# KiCad board pandemonium.kicad_pcb
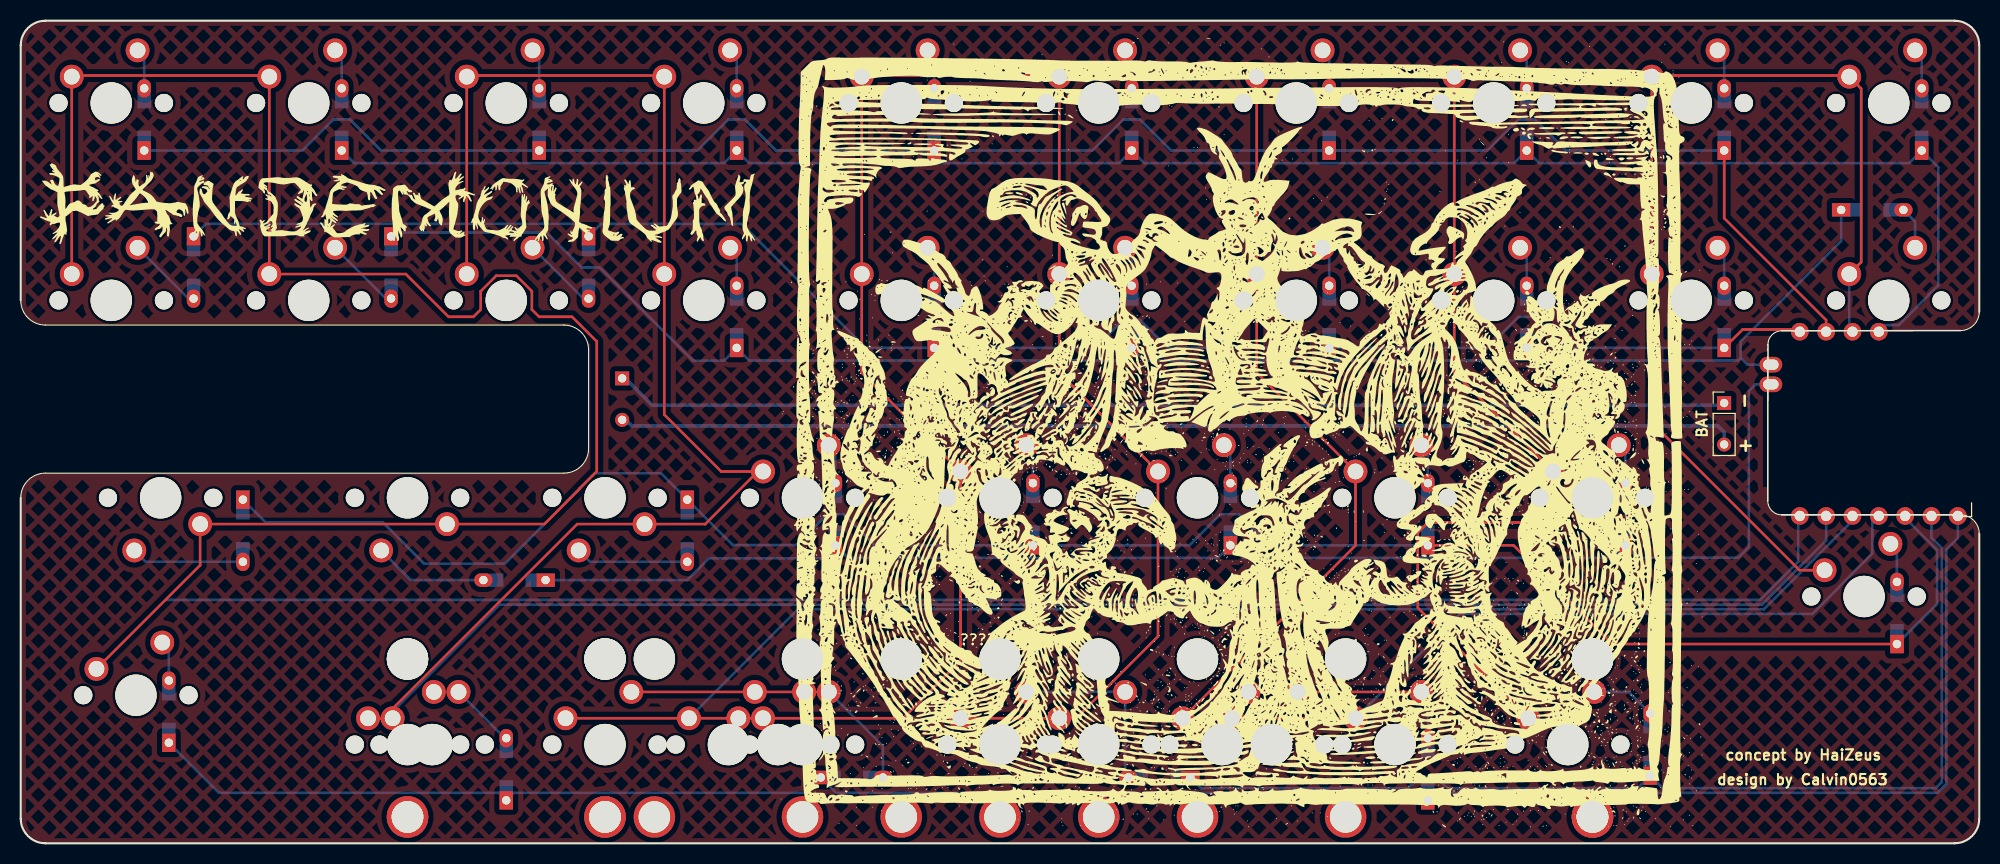
[diagram p0: board, top side]
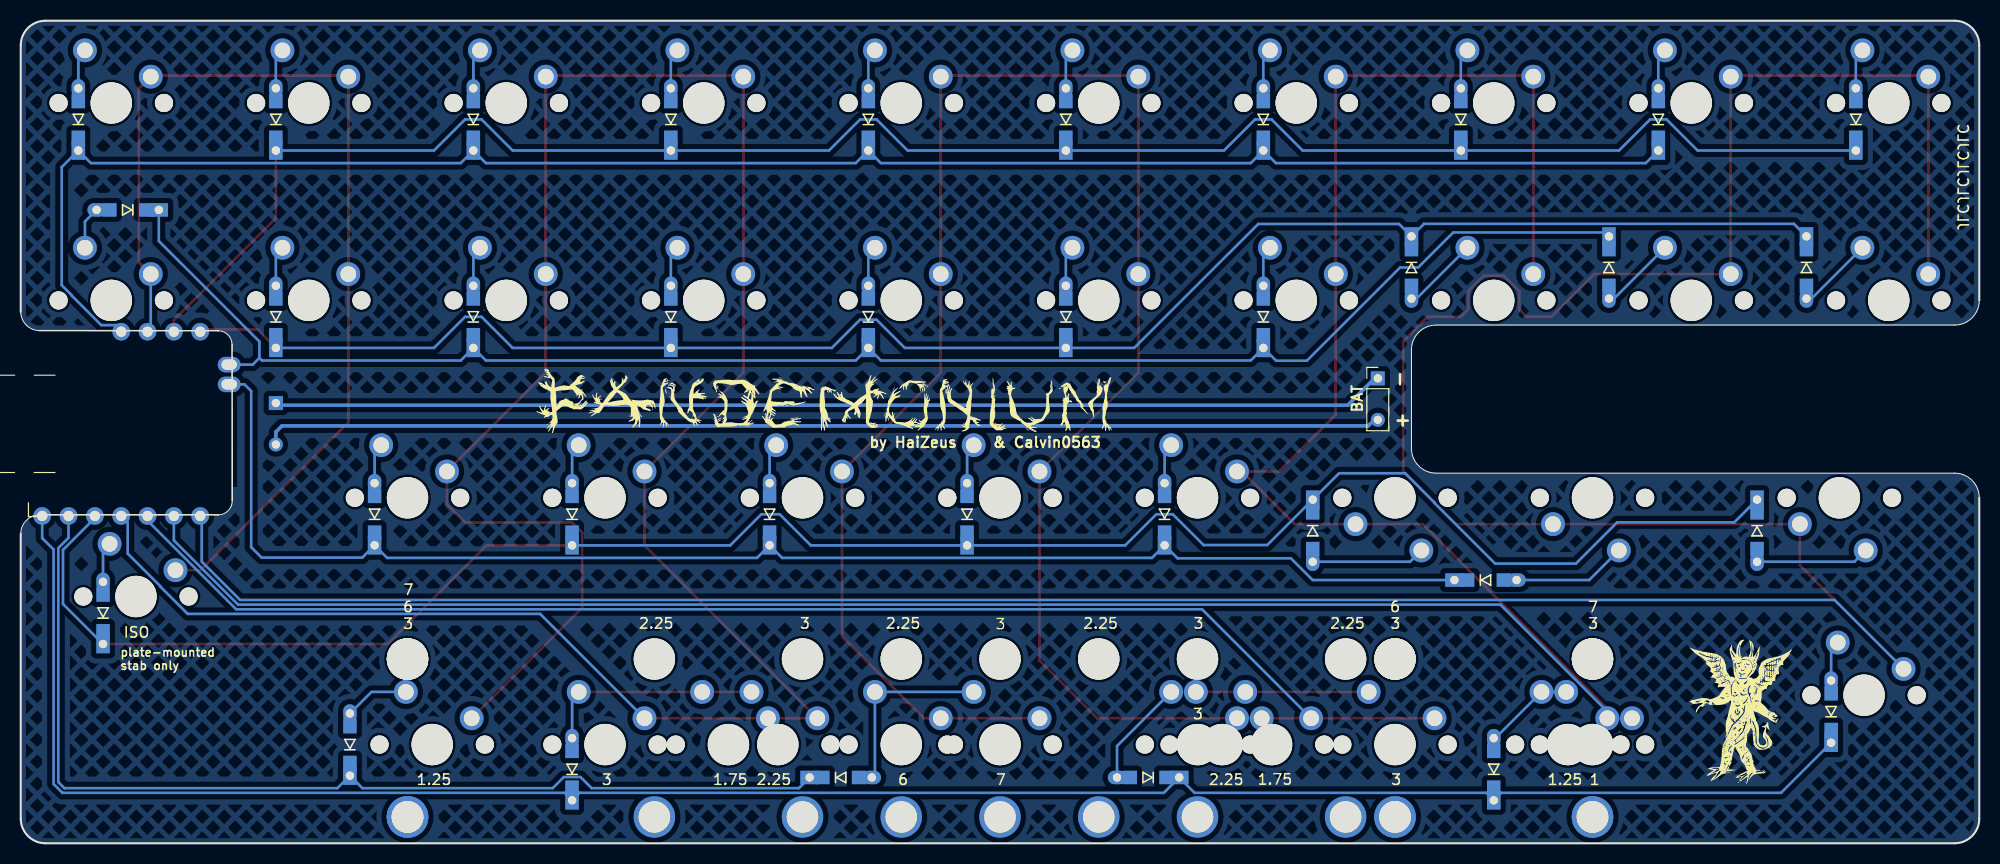
[diagram p1: board, bottom side, seen from below]

Outline 188.91 x 79.38 mm; copper layers: Top, Bottom. Coordinates in mm from the lower left corner of the outline.
Outline path: 0,76.99 0,52.39 arc(0.7,50.7) 2.38,50.01 52.39,50.01 arc(54.07,49.31) 54.77,47.63 54.77,38.1 arc(54.07,36.42) 52.39,35.72 2.38,35.72 arc(0.7,35.02) 0,33.34 0,2.38 arc(0.7,0.7) 2.38,0 186.53,0 arc(188.22,0.7) 188.91,2.38 188.91,29.87 arc(188.38,31.16) 187.09,31.69 169.86,31.69 arc(168.91,32.09) 168.51,33.04 168.53,48.12 arc(168.92,49.06) 169.86,49.45 187.09,49.47 arc(188.38,50.01) 188.91,51.3 188.91,76.99 arc(188.22,78.68) 186.53,79.38 2.38,79.38 arc(0.7,78.68) 0,76.99

## Placement (name value [footprint] x y rotation side)
D1  D_Small  [D3_TH_SMD_v2]  11.91 69.85 90 bottom
D2  D_Small  [D3_TH_SMD_v2]  107.16 69.85 90 bottom
D3  D_Small  [D3_TH_SMD_v2]  16.67 55.56 270 bottom
D4  D_Small  [D3_TH_SMD_v2]  107.16 50.8 90 bottom
D5  D_Small  [D3_TH_SMD_v2]  21.43 30.16 270 bottom
D6  D_Small  [D3_TH_SMD_v2]  116.68 31.75 90 bottom
D7  D_Small  [D3_TH_SMD_v2]  14.29 12.7 90 bottom
D8  D_Small  [D3_TH_SMD_v2]  30.96 69.85 90 bottom
D9  D_Small  [D3_TH_SMD_v2]  126.21 69.85 90 bottom
D10  D_Small  [D3_TH_SMD_v2]  35.72 55.56 270 bottom
D11  D_Small  [D3_TH_SMD_v2]  126.21 50.8 90 bottom
D12  D_Small  [D3_TH_SMD_v2]  47.63 25.4 180 bottom
D13  D_Small  [D3_TH_SMD_v2]  135.73 31.75 90 bottom
D14  D_Small  [D3_TH_SMD_v2]  46.83 7.14 90 bottom
D15  D_Small  [D3_TH_SMD_v2]  50.01 69.85 90 bottom
D16  D_Small  [D3_TH_SMD_v2]  145.26 69.85 90 bottom
D17  D_Small  [D3_TH_SMD_v2]  54.77 55.56 270 bottom
D18  D_Small  [D3_TH_SMD_v2]  145.26 50.8 90 bottom
D19  D_Small  [D3_TH_SMD_v2]  64.29 30.16 270 bottom
D20  D_Small  [D3_TH_SMD_v2]  154.78 31.75 90 bottom
D21  D_Small  [D3_TH_SMD_v2]  80.17 6.35 0 bottom
D22  D_Small  [D3_TH_SMD_v2]  69.06 69.85 90 bottom
D23  D_Small  [D3_TH_SMD_v2]  88.11 69.85 90 bottom
D24  D_Small  [D3_TH_SMD_v2]  109.82 6.35 180 bottom
D25  D_Small  [D3_TH_SMD_v2]  164.31 69.85 90 bottom
D26  D_Small  [D3_TH_SMD_v2]  183.36 69.85 90 bottom
D27  D_Small  [D3_TH_SMD_v2]  157.16 9.53 90 bottom
D28  D_Small  [D3_TH_SMD_v2]  69.06 50.8 90 bottom
D29  D_Small  [D3_TH_SMD_v2]  88.11 50.8 90 bottom
D31  D_Small  [D3_TH_SMD_v2]  164.31 50.8 90 bottom
D32  D_Small  [D3_TH_SMD_v2]  178.59 61.12 0 bottom
D34  D_Small  [D3_TH_SMD_v2]  78.58 31.75 90 bottom
D35  D_Small  [D3_TH_SMD_v2]  97.63 31.75 90 bottom
D37  D_Small  [D3_TH_SMD_v2]  180.98 22.23 90 bottom
D40  D_Small  [D3_TH_SMD_v2]  135.73 7.14 90 bottom
G***  -  [LOGO]  117.48 39.69 0 top
G***#2  -  [LOGO]  35.72 61.91 0 top
G***#3  -  [LOGO]  111.92 42.86 180 bottom
G***#4  -  [LOGO]  23.02 12.7 180 bottom
J1  XIAO nrf52840  [Seeeduino XIAO-MOUDLE14P-2.54-21X17.8MM]  168.68 31.59 90 bottom
J2  Conn_01x02_Female  [JST_PH_S2B-PH-K_1x02_P2.00mm_Horizontal]  164.31 40.48 270 top
J3  Conn_01x03_Female  [JST_PH_S3B-PH-K_1x03_P2.00mm_Horizontal]  58.01 42.86 270 bottom
MX1  MX_SW_solder  [SW_MX_1u]  8.73 71.44 0 top
MX2  MX_SW_solder  [SW_MX_1u]  103.98 71.44 0 top
MX3  MX_SW_solder  [SW_MX_1u]  8.73 52.39 0 top
MX4  MX_SW_solder  [SW_MX_1u]  103.98 52.39 0 top
MX5  MX_SW_solder  [SW_MX_1.5u]  13.49 33.34 180 top
MX6  MX_SW_solder  [SW_MX_1u]  113.51 33.34 0 top
MX7  MX_SW_solder  [SW_MX_1.25u]  11.11 14.29 0 top
MX8  MX_SW_solder  [SW_MX_1u]  27.78 71.44 0 top
MX9  MX_SW_solder  [SW_MX_1u]  123.03 71.44 0 top
MX10  MX_SW_solder  [SW_MX_1u]  27.78 52.39 0 top
MX11  MX_SW_solder  [SW_MX_1u]  123.03 52.39 0 top
MX12  MX_SW_solder  [SW_MX_1u]  37.31 33.34 180 top
MX13  MX_SW_solder  [SW_MX_1u]  132.56 33.34 0 top
MX14  MX_SW_solder  [SW_MX_1u]  37.31 9.53 0 top
MX15  MX_SW_solder  [SW_MX_1u]  46.83 71.44 0 top
MX16  MX_SW_solder  [SW_MX_1u]  142.08 71.44 0 top
MX17  MX_SW_solder  [SW_MX_1u]  46.83 52.39 0 top
MX18  MX_SW_solder  [SW_MX_1u]  142.08 52.39 0 top
MX19  MX_SW_solder  [SW_MX_1u]  56.36 33.34 180 top
MX20  MX_SW_solder  [SW_MX_1u]  151.61 33.34 0 top
MX21  MX_SW_solder  [SW_MX_1u]  75.41 9.53 0 top
MX22  MX_SW_solder  [SW_MX_1u]  65.88 71.44 0 top
MX23  MX_SW_solder  [SW_MX_1u]  161.13 71.44 0 top
MX24  MX_SW_solder  [SW_MX_1u]  65.88 52.39 0 top
MX25  MX_SW_solder  [SW_MX_1u]  161.13 52.39 0 top
MX26  MX_SW_solder  [SW_MX_1u]  75.41 33.34 0 top
MX27  MX_SW_solder  [SW_MX_1u]  177.8 23.81 0 top
MX28  MX_SW_solder  [SW_MX_1u]  132.56 9.53 0 top
MX29  MX_SW_solder  [SW_MX_1u]  84.93 71.44 0 top
MX30  MX_SW_solder  [SW_MX_1u]  180.18 71.44 0 top
MX31  MX_SW_solder  [SW_MX_1u]  84.93 52.39 0 top
MX32  MX_SW_solder  [SW_MX_1u]  180.18 52.39 0 top
MX33  MX_SW_solder  [SW_MX_1u]  94.46 33.34 0 top
MX34  MX_SW_solder  [SW_MX_1u]  103.98 9.53 0 top
MX35  MX_SW_solder  [SW_MX_1u]  56.36 9.53 0 top
MX36  MX_SW_solder  [SW_MX_1.25u]  39.69 9.53 0 top
MX37  MX_SW_solder  [SW_MX_1u]  73.03 9.53 0 top
MX38  MX_SW_solder  [SW_MX_1.75u]  68.26 9.53 0 top
MX39  MX_SW_solder  [SW_MX_1u]  94.46 9.53 0 top
MX42  MX_SW_solder  [SW_MX_1u]  115.89 9.53 0 top
MX43  MX_SW_solder  [SW_MX_1.75u]  120.65 9.53 0 top
MX44  MX_SW_solder  [SW_MX_1.25u]  149.23 9.53 0 top
S2  MX_stab  [STAB_MX_P_3u]  75.41 9.53 180 top
S3  MX_stab  [STAB_MX_P_3u]  132.56 9.53 180 top
S4  MX_stab  [STAB_MX_P_3u]  56.36 9.53 180 top
S6  MX_stab  [STAB_MX_P_2.25u]  73.03 9.53 180 top
S7  MX_stab  [STAB_MX_P_2.25u]  115.89 9.53 180 top
S8  MX_stab  [STAB_MX_P_6u]  103.98 9.53 180 top
S9  MX_stab  [STAB_MX_P_7u]  94.46 9.53 180 top

## Library data of the parts
D1-D29 D31 D32 D34 D35 D37 D40 = -: Description: Diode, small symbol; Sim.Device: D; Sim.Pins: 1=K 2=A
J1 = -: Description: Pro-Micro controller, Pin 1 is TX, Pin 24 is VCC, 25 is B+, 26 is B-
J2 = -: Description: Generic connector, single row, 01x02, script generated (kicad-library-utils/schlib/autogen/connector/)
J3 = -: Description: Generic connector, single row, 01x03, script generated (kicad-library-utils/schlib/autogen/connector/)
MX1-MX39 MX42-MX44 = -: Description: Push button switch, normally open, two pins, 45° tilted
S2-S4 S6-S9 = -: Description: Cherry MX-style stabilizer

## Footprints (pads in the part's own frame, mm; a bottom-side part is the same pattern mirrored in y, then rotated)
D3_TH_SMD_v2
  rect 1.778x1.3 hole 0.813: 1(-3,0)
  rect 1.4x1.3 smd: 1(-1.775,0) 2(1.775,0)
  oval 1.778x1.3 hole 0.813: 2(3,0)
JST_PH_S2B-PH-K_1x02_P2.00mm_Horizontal
  rect 1.35x1.35 hole 0.8: 1(-2,0)
  oval 1.35x1.35 hole 0.8: 2(2,0)
JST_PH_S3B-PH-K_1x03_P2.00mm_Horizontal
  rect 1.35x1.35 hole 0.8: 1(-2,0)
  oval 1.35x1.35 hole 0.8: 2(2,0)
Seeeduino XIAO-MOUDLE14P-2.54-21X17.8MM
  round 1.7 hole 1: 1(0,18.161)
  oval 1.7x1.7 hole 1: 2(0,15.621) 3(0,13.081) 4(0,10.541) 5(0,8.001) 6(0,5.461) 7(0,2.921) 18(17.78,2.921) 19(17.78,5.461) 20(17.78,8.001) 21(17.78,10.541)
  oval 1.5x2.2 hole 1x1.5: 8(12.7,0.127) 9(14.605,0.127)
STAB_MX_P_2.25u
  round 4 hole 3.048: (-11.906,6.985) (11.906,6.985)
  round 3.988 hole 3.988 unplated: (-11.906,-8.255) (11.906,-8.255)
STAB_MX_P_3u
  round 4 hole 3.048: (-19.05,6.985) (19.05,6.985)
  round 3.988 hole 3.988 unplated: (-19.05,-8.255) (19.05,-8.255)
STAB_MX_P_6u
  round 4 hole 3.048: (-47.625,6.985) (47.625,6.985)
  round 3.988 hole 3.988 unplated: (-47.625,-8.255) (47.625,-8.255)
STAB_MX_P_7u
  round 4 hole 3.048: (-57.15,6.985) (57.15,6.985)
  round 3.988 hole 3.988 unplated: (-57.15,-8.255) (57.15,-8.255)
SW_MX_1.5u
  round 1.75 hole 1.75 unplated: (-5.08,0) (5.08,0)
  round 3.988 hole 3.988 unplated: (0,0)
  round 2.3 hole 1.524: 1(-3.81,2.54) 2(2.54,5.08)
SW_MX_1.25u
  round 1.75 hole 1.75 unplated: (-5.08,0) (5.08,0)
  round 3.988 hole 3.988 unplated: (0,0)
  round 2.3 hole 1.524: 1(-3.81,2.54) 2(2.54,5.08)
SW_MX_1.75u
  round 1.75 hole 1.75 unplated: (-5.08,0) (5.08,0)
  round 3.988 hole 3.988 unplated: (0,0)
  round 2.3 hole 1.524: 1(-3.81,2.54) 2(2.54,5.08)
SW_MX_1u
  round 1.75 hole 1.75 unplated: (-5.08,0) (5.08,0)
  round 3.988 hole 3.988 unplated: (0,0)
  round 2.3 hole 1.524: 1(-3.81,2.54) 2(2.54,5.08)

## Nets
+BATT: J2.2 J3.2
-BATT: J2.1 J3.1
COL0: J1.7 MX1.1 MX3.1 MX5.1 MX7.1 MX8.1 MX10.1 MX12.1
COL1: J1.6 MX14.1 MX15.1 MX17.1 MX19.1 MX22.1 MX24.1 MX26.1 MX36.1
COL2: J1.5 MX2.1 MX4.1 MX6.1 MX21.1 MX29.1 MX31.1 MX33.1 MX34.1 MX35.1 MX37.1 MX38.1 MX39.1
COL3: J1.4 MX9.1 MX11.1 MX13.1 MX16.1 MX18.1 MX20.1 MX28.1 MX42.1 MX43.1 MX44.1
COL4: J1.20 MX23.1 MX25.1 MX27.1 MX30.1 MX32.1
ROW0: D1.1 D9.1 D15.1 D23.1 D25.1 J1.19
ROW1: D2.1 D8.1 D16.1 D22.1 D26.1 J1.21
ROW2: D3.1 D11.1 D17.1 D29.1 D31.1 J1.18
ROW3: D4.1 D10.1 D18.1 D28.1 D32.1 J1.9
ROW4: D5.1 D13.1 D19.1 D35.1 D37.1 J1.3
ROW5: D6.1 D12.1 D20.1 D34.1 J1.8
ROW6: D7.1 D14.1 D21.1 D40.1 J1.1
ROW7: D24.1 D27.1 J1.2
Net-(D1-A): D1.2 MX1.2
Net-(D2-A): D2.2 MX2.2
Net-(D3-A): D3.2 MX3.2
Net-(D4-A): D4.2 MX4.2
Net-(D5-A): D5.2 MX5.2
Net-(D6-A): D6.2 MX6.2
Net-(D7-A): D7.2 MX7.2
Net-(D8-A): D8.2 MX8.2
Net-(D9-A): D9.2 MX9.2
Net-(D10-A): D10.2 MX10.2
Net-(D11-A): D11.2 MX11.2
Net-(D12-A): D12.2 MX12.2
Net-(D13-A): D13.2 MX13.2
Net-(D14-A): D14.2 MX14.2 MX36.2
Net-(D15-A): D15.2 MX15.2
Net-(D16-A): D16.2 MX16.2
Net-(D17-A): D17.2 MX17.2
Net-(D18-A): D18.2 MX18.2
Net-(D19-A): D19.2 MX19.2
Net-(D20-A): D20.2 MX20.2
Net-(D21-A): D21.2 MX21.2 MX35.2 MX37.2 MX38.2
Net-(D22-A): D22.2 MX22.2
Net-(D23-A): D23.2 MX29.2
Net-(D24-A): D24.2 MX34.2 MX39.2
Net-(D25-A): D25.2 MX23.2
Net-(D26-A): D26.2 MX30.2
Net-(D27-A): D27.2 MX44.2
Net-(D28-A): D28.2 MX24.2
Net-(D29-A): D29.2 MX31.2
Net-(D31-A): D31.2 MX25.2
Net-(D32-A): D32.2 MX32.2
Net-(D34-A): D34.2 MX26.2
Net-(D35-A): D35.2 MX33.2
Net-(D37-A): D37.2 MX27.2
Net-(D40-A): D40.2 MX28.2 MX42.2 MX43.2

## Routing (per net, layer and track width the routed paths; a pad name or vN(x,y) marks a point on that pad's centre or on a via; arc(x,y) is an arc through that point)
+BATT: length 108
  Bottom w0.35: J2.2 164.31,39.69 163.72,40.28 58.94,40.28 58.36,40.86 J3.2
-BATT: length 107.5
  Bottom w0.35: J2.1 164.1,42.28 60.91,42.28 58.33,44.86 J3.1
COL0: length 340.8
  Top w0.25: MX7.1 17.3,26.83 MX5.1 MX12.1 50.5,30.8 53.91,34.2 53.91,34.24 55.56,35.89 55.56,48.42 53.18,50.8 50.01,50.8 49.3,51.51 49.3,53.27 47.8,54.77 45.86,54.77 44.36,53.27 44.36,51.51 43.66,50.8 41.28,50.8 37.15,54.93 MX10.1 MX8.1 23.87,74.08 5.03,74.08 MX1.1 MX3.1
  Bottom w0.25: MX7.1 13.96,23.48 167.76,23.48 171.45,27.17 171.45,31.43 171.58,31.57 171.6,31.57
COL1: length 280.9
  Top w0.25: 35.22,12.07 MX14.1 MX36.1 35.88,13 53.67,30.8 MX19.1 66.02,30.8 71.1,35.88 MX26.1 67.56,35.88 62.07,41.37 MX24.1 MX22.1 61.97,74.08 43.13,74.08 MX15.1 MX17.1
  Bottom w0.25: 174.14,31.57 174.14,29.23 167.95,23.03 46.19,23.03 35.88,12.72 MX36.1
COL2: length 320.7
  Top w0.25: MX35.1 MX21.1 85.09,12.07 90.65,17.62 MX33.1 81.12,45.4 MX31.1 MX29.1 81.23,74.08 100.07,74.08 MX2.1 MX4.1 100.17,45.4 MX6.1 109.7,19.96 101.8,12.07 MX34.1 MX39.1
  Bottom w0.25: MX38.1 74.97,22.58 168.13,22.58 176.68,31.13 176.68,31.57
COL3: length 250.6
  Top w0.25: MX44.1 134.76,22.72 134.76,29.98 135.73,30.96 146.05,30.96 147.8,32.7 MX20.1 147.8,35.9 138.27,45.42 MX18.1 MX16.1 138.17,74.08 119.33,74.08 MX9.1 MX11.1 119.22,45.4 MX13.1 128.75,28.73 MX42.1 MX28.1
  Bottom w0.25: 179.22,31.57 179.2,31.57 178.59,30.96 178.59,27.96 175.43,24.79 175.43,24.76 172.81,22.13 138.81,22.13 MX28.1
COL4: length 100.6
  Top w0.25: MX27.1 171.57,26.35 157.32,40.6 MX25.1 MX23.1 157.43,74.08 176.27,74.08 MX30.1 177.52,72.83 177.52,56.08 MX32.1
  Bottom w0.25: 176.68,49.59 176.37,49.9 MX32.1
ROW0: length 183.7
  Top w0.25: 174.14,49.58 174.14,50.49 164.31,60.33 D25.1
  Bottom w0.25: D25.1 149.05,66.85 146.05,69.85 144.46,69.85 141.46,66.85 D9.1 110.95,66.85 107.95,69.85 106.36,69.85 103.36,66.85 D23.1 72.85,66.85 69.85,69.85 68.26,69.85 65.26,66.85 D15.1 34.75,66.85 31.75,69.85 30.16,69.85 27.16,66.85 D1.1
ROW1: length 177.6
  Bottom w0.25: 179.22,49.59 179.64,50.01 181.15,50.01 184.01,52.87 184.01,52.91 184.96,53.85 184.96,65.25 D26.1 182.14,65.64 146.47,65.64 D16.1 144.04,65.64 108.37,65.64 D2.1 105.94,65.64 70.27,65.64 D22.1 67.84,65.64 32.17,65.64 D8.1
ROW2: length 166.9
  Top w0.25: D31.1 166.09,49.59 169.91,49.59 169.92,49.58 171.39,49.58 171.6,49.58
  Bottom w0.25: D31.1 149.05,47.8 146.05,50.8 144.46,50.8 141.46,47.8 D11.1 110.68,47.8 107.95,50.53 106.36,50.53 103.64,47.8 D29.1 81.51,47.8 69.55,59.76 55.97,59.76 D17.1 53.55,59.78 17.88,59.78 D3.1
ROW3: length 159.7
  Bottom w0.25: D32.1 175.59,58.12 165.89,48.42 165.89,46.83 ; 168.4,46.19 166.53,46.19 165.89,46.83 ; 165.89,46.83 165.65,46.59 146.47,46.59 D18.1 144.04,46.59 108.37,46.59 D4.1 105.94,46.59 70.27,46.59 D28.1 67.82,46.57 64.85,46.57 55.86,55.56 54.12,55.56 50.74,58.94 36.1,58.94 D10.1
ROW4: length 192.7
  Top w0.25: D37.1 153.51,19.23 143.99,28.75 D13.1
  Bottom w0.25: D5.1 23.63,30.97 34.93,30.97 38.91,26.99 46.69,26.99 52.53,32.82 52.53,32.86 55.38,35.71 61.75,35.71 D19.1 68.68,28.78 74.81,28.78 77.79,31.75 79.38,31.75 82.38,28.75 D35.1 112.71,28.75 115.71,31.75 117.48,31.75 120.48,28.75 D13.1 ; 181.76,31.57 181.76,31.38 184.84,28.31 184.84,23.09 D37.1
ROW5: length 137.1
  Bottom w0.25: D12.1 64.29,25.4 66.4,27.5 77.33,27.5 D34.1 79.8,27.54 115.47,27.54 D6.1 117.9,27.54 153.57,27.54 D20.1 155.97,27.56 165.68,27.56 166.69,28.58 166.69,43.64 167.33,44.29 168.11,44.29
ROW6: length 202.5
  Bottom w0.25: D7.1 19.12,4.87 46.11,4.87 D14.1 47.55,4.87 75.68,4.87 D21.1 78.65,4.87 135.01,4.87 D40.1 136.45,4.87 184.89,4.87 185.74,5.71 185.74,28.34 186.84,29.45 186.84,31.57
ROW7: length 101.1
  Bottom w0.25: 184.3,31.57 184.3,29.48 185.29,28.49 185.29,5.9 184.7,5.32 158.37,5.32 D27.1 155.95,5.32 137.6,5.32 136.53,6.39 134.92,6.39 133.84,5.32 113.86,5.32 D24.1
Net-(D1-A): length 3.9
  Bottom w0.25: MX1.2 11.91,75.88 D1.2
Net-(D2-A): length 3.9
  Bottom w0.25: D2.2 107.16,75.88 MX2.2
Net-(D3-A): length 7.4
  Bottom w0.25: D3.2 16.18,52.56 MX3.2
Net-(D4-A): length 3.9
  Bottom w0.25: MX4.2 107.16,56.83 D4.2
Net-(D5-A): length 10.9
  Bottom w0.25: D5.2 12.05,27.16 MX5.2
Net-(D6-A): length 3.9
  Bottom w0.25: MX6.2 116.68,37.78 D6.2
Net-(D7-A): length 3.9
  Bottom w0.25: D7.2 14.29,18.73 MX7.2
Net-(D8-A): length 3.9
  Bottom w0.25: MX8.2 30.96,75.88 D8.2
Net-(D9-A): length 3.9
  Bottom w0.25: 125.57,76.52 126.21,75.88 D9.2
Net-(D10-A): length 7.4
  Bottom w0.25: D10.2 35.23,52.56 MX10.2
Net-(D11-A): length 3.9
  Bottom w0.25: 125.57,57.47 126.21,56.83 D11.2
Net-(D12-A): length 11
  Bottom w0.25: D12.2 37.62,25.4 MX12.2
Net-(D13-A): length 3.9
  Bottom w0.25: D13.2 135.73,37.78 MX13.2
Net-(D14-A): length 8.8
  Bottom w0.25: MX14.2 MX36.2 46.69,10.14 D14.2
Net-(D15-A): length 3.9
  Bottom w0.25: MX15.2 50.01,75.88 D15.2
Net-(D16-A): length 3.9
  Bottom w0.25: MX16.2 145.26,75.88 D16.2
Net-(D17-A): length 7.4
  Bottom w0.25: D17.2 54.28,52.56 MX17.2
Net-(D18-A): length 3.9
  Bottom w0.25: D18.2 145.26,56.83 MX18.2
Net-(D19-A): length 10.9
  Bottom w0.25: MX19.2 54.91,27.16 D19.2
Net-(D20-A): length 3.9
  Bottom w0.25: D20.2 154.78,37.78 MX20.2
Net-(D21-A): length 29.5
  Top w0.25: MX35.2 MX21.2
  Bottom w0.25: MX21.2 83.17,9.38 D21.2
Net-(D22-A): length 3.9
  Bottom w0.25: MX22.2 69.06,75.88 D22.2
Net-(D23-A): length 3.9
  Bottom w0.25: MX29.2 88.11,75.88 D23.2
Net-(D24-A): length 17.9
  Bottom w0.25: D24.2 106.52,6.65 MX34.2 MX39.2
Net-(D25-A): length 3.9
  Bottom w0.25: MX23.2 164.31,75.88 D25.2
Net-(D26-A): length 3.9
  Bottom w0.25: D26.2 183.36,75.88 MX30.2
Net-(D27-A): length 6.3
  Bottom w0.25: MX44.2 155.08,14.61 D27.2
Net-(D28-A): length 3.9
  Bottom w0.25: MX24.2 69.06,56.83 D28.2
Net-(D29-A): length 3.9
  Bottom w0.25: D29.2 88.11,56.83 MX31.2
Net-(D31-A): length 3.9
  Bottom w0.25: MX25.2 164.31,56.83 D31.2
Net-(D32-A): length 4.1
  Bottom w0.25: MX32.2 182.72,59.99 D32.2
Net-(D34-A): length 3.9
  Bottom w0.25: MX26.2 78.58,37.78 D34.2
Net-(D35-A): length 3.9
  Bottom w0.25: MX33.2 97.63,37.78 D35.2
Net-(D37-A): length 3.9
  Bottom w0.25: D37.2 180.98,28.26 MX27.2
Net-(D40-A): length 21.4
  Top w0.25: MX42.2 MX43.2 MX28.2
  Bottom w0.25: D40.2 135.73,13.97 MX28.2

## Copper pours and planes (outline as drawn; the poured copper is in the pictures)
(no net) on Top, Bottom: 196.06,87.31 -4.76,87.31 -4.76,-7.94 196.06,-7.94

## Text on the board
B.Silkscreen: plate-mounted / stab only | 3 | 1 | 7 | 1.25 | 6 | 2.25 | 1.75 | ISO | JLCJLCJLCJLC | & Calvin0563 | by HaiZeus | BAT | + | -
F.Silkscreen: 𝔓𝔞𝔫𝔡𝔢𝔪𝔬𝔫𝔦𝔲𝔪 | design by Calvin0563 | concept by HaiZeus | BAT | + | -
